# Allegro board LAY-29615_B4.brd (continued)
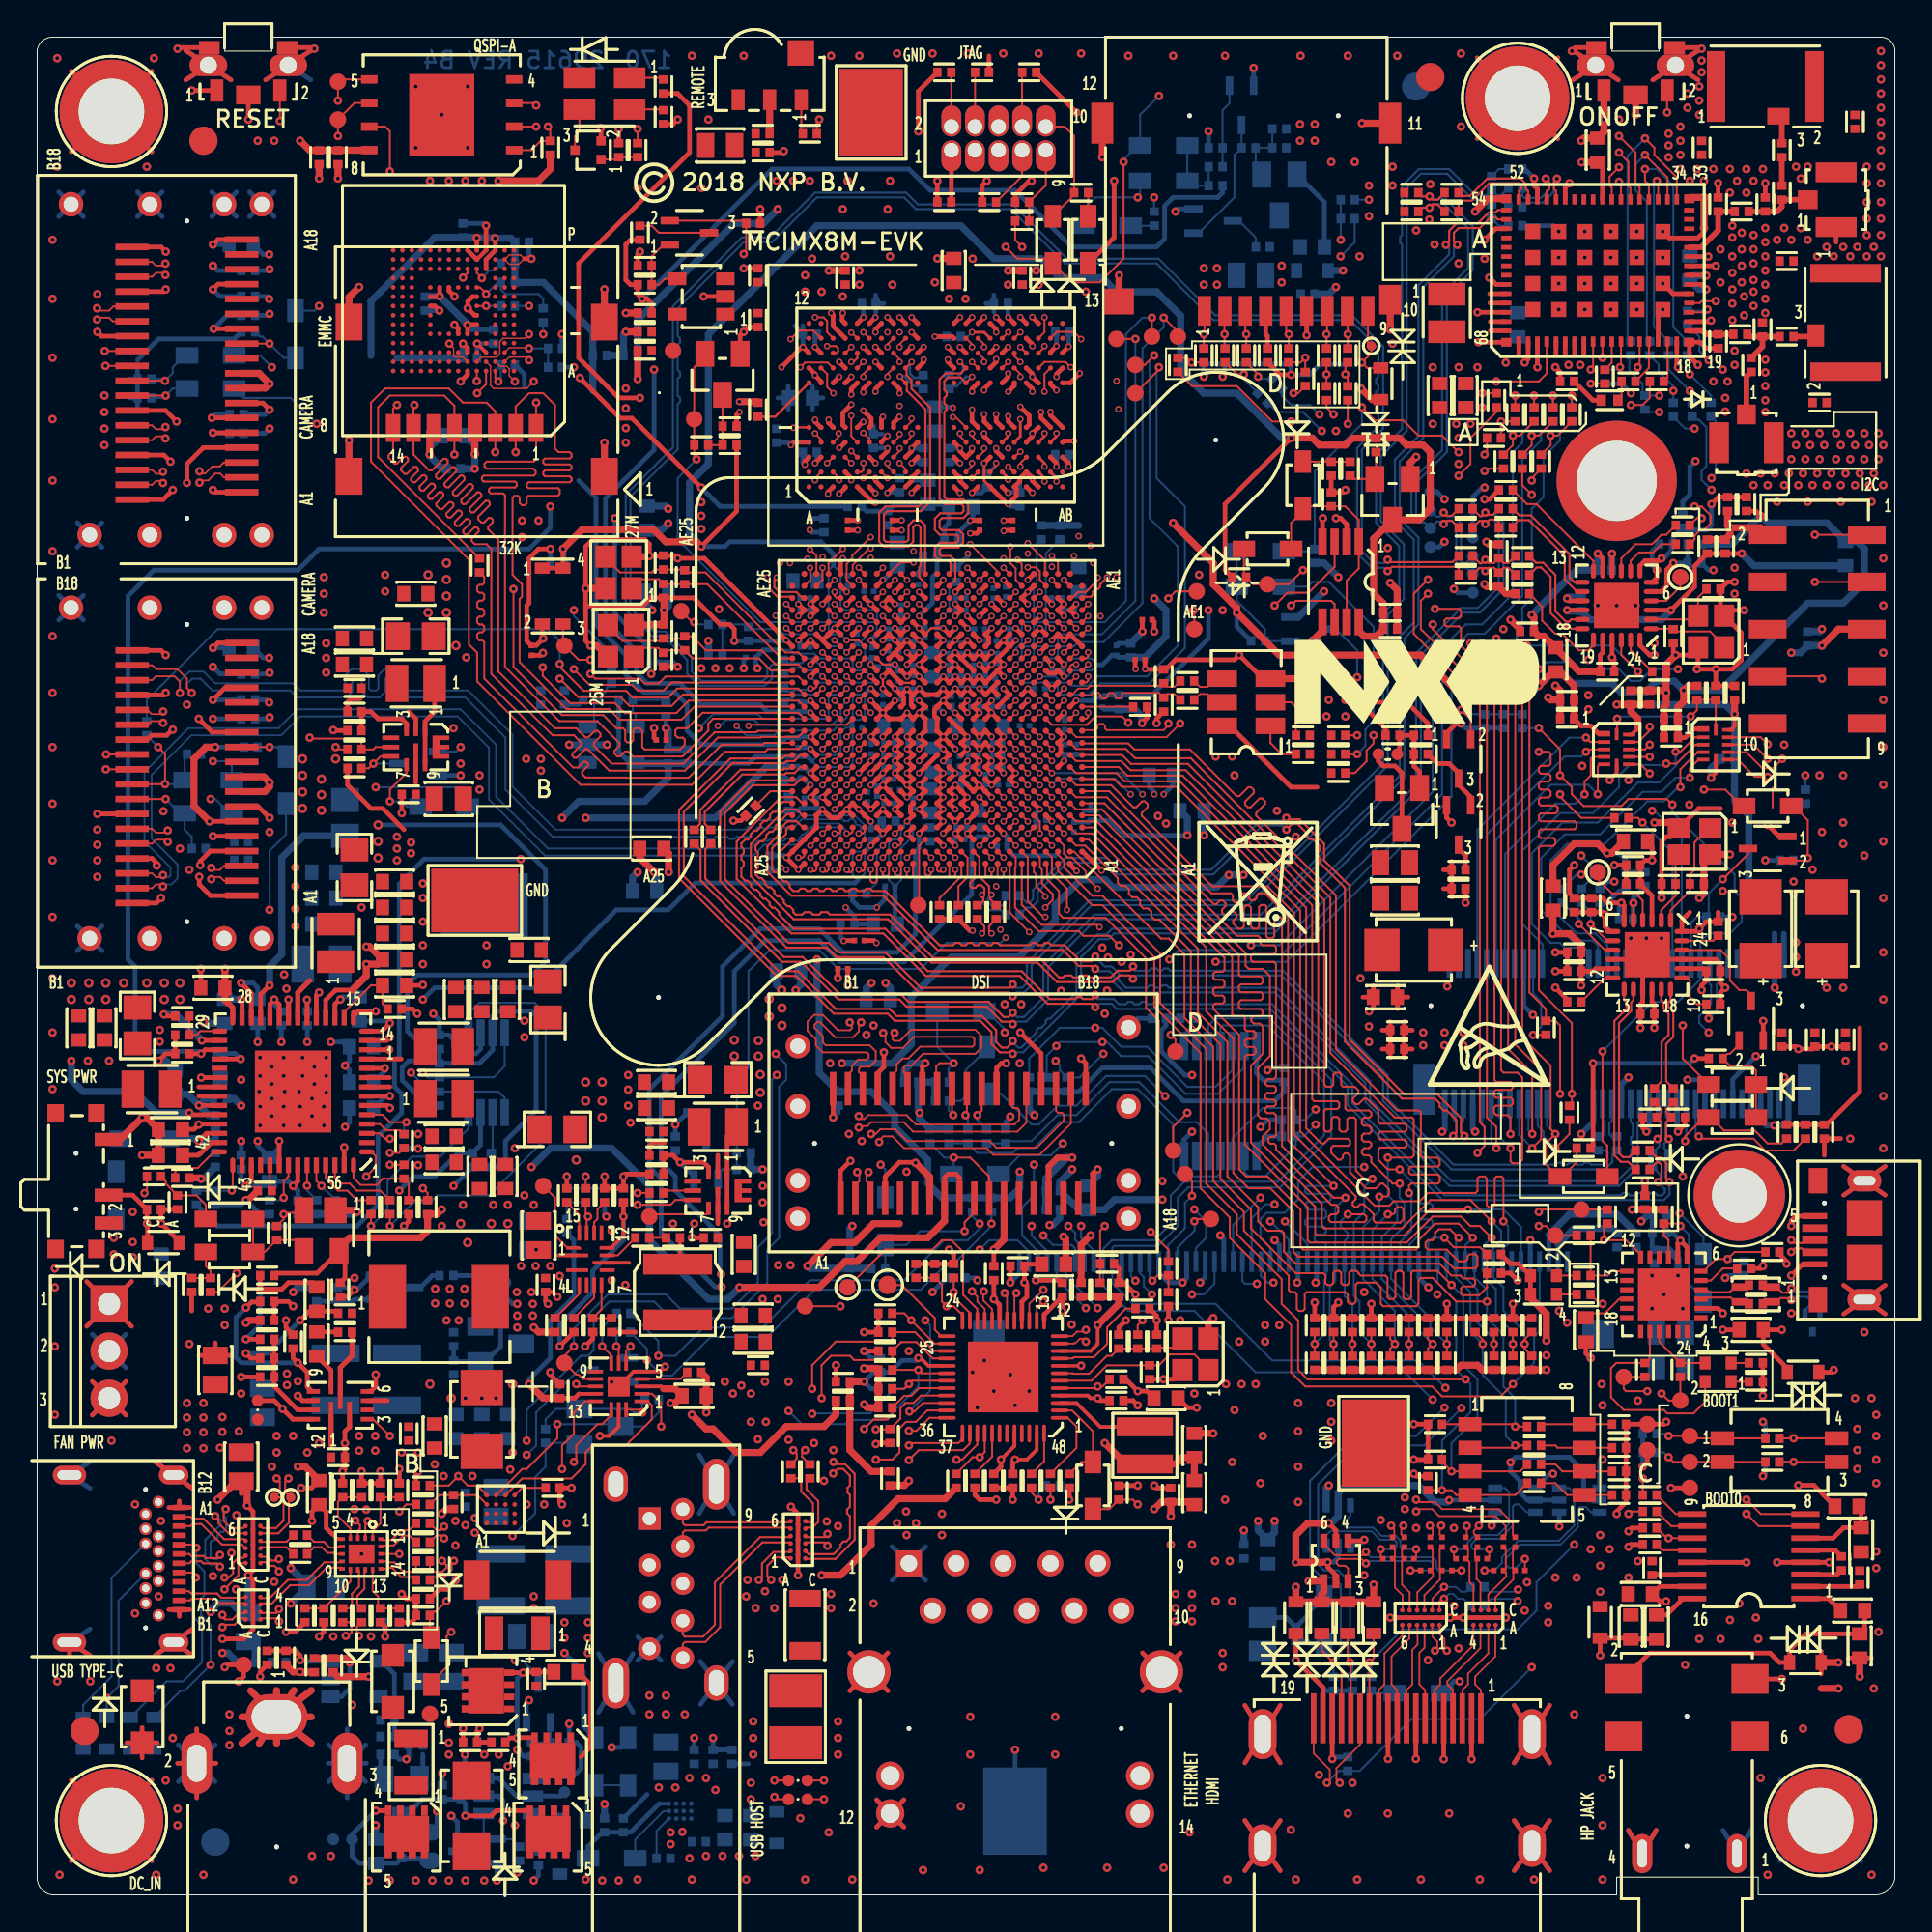
[diagram p0: board, top side]
## Routing (per net, layer and track width the routed paths; a pad name or vN(x,y) marks a point on that pad's centre or on a via; arc(x,y) is an arc through that point) (continued)
NVCC_3V3: length 247.2
  TOP w0.203: v1(57.09,26.73) 56.7,26.73 56.56,26.88 U1201.4 ; U907.3 33.59,27.37 33.72,27.24
  TOP w0.254: R1609.1 34.23,95.32 v1(34.48,95.57) ; U101.R6 v2(53.32,64.93) U101.R5 ; R402.1 47.43,97.08 v1(47.43,94.93) ; R920.1 20.39,22.68 v1(20.51,22.8) ; U601.F5 23.19,84.53 v1(23.17,84.51) U601.E6 ; U601.K9 v1(21.66,86.05) 21.64,86.03 U601.J10 ; U101.J7 v2(52.67,60.38) U101.H7 v2(52.67,59.73) ; U1301.8 83.26,82.88 ; C1326.2 84.26,93.02 U1301.43 ; v1(59.24,22.03) 58.24,22.03 R1223.1 ; R1803.2 v1(60.9,30.92) ; R801.2 79.3,33.97 79.75,33.97 D1703.1 D1703.3 ; L1104.2 95.64,22.05 v1(94.8,22.05) ; R403.1 55.94,95.95 v1(55.94,95.95) ; v1(85.66,18.73) 85.79,18.86 R1109.2 ; 68.9,59.63 67.5,59.63 64.2,62.93 Y501.6 ; v1(57.09,26.73) 57.21,26.61 C1207.1 ; R1205.1 58.61,27.75 v1(59.24,27.11) 59.74,27.11 C1206.1 ; R405.1 v1(48.46,92.26) ; U702.55 v1(16.53,40.24) ; U101.D8 v2(52.02,57.13) ; v1(92.89,26.87) R1703.1 R1702.1 ; U101.M18 v2(44.88,62.33) U101.L18 ; 12.51,85.1 v1(12.51,85.11) ; R1460.1 74.86,63.06 73.72,64.2 72.07,64.2 ; U1301.2 80.26,82.67 v1(80.07,82.49) ; C1441.1 72.59,62.79 v1(71.31,64.07) ; U101.M3 v2(55.27,62.33) U101.L3 55.1,61.86 55.1,61.5 U101.K3 ; U1301.26 89.82,87.19 v1(89.85,87.16) ; U1101.15 87.35,16.6 C1104.1 87.34,15.8 v1(87.69,15.8) ; D402.A 57.97,89.22 v1(57.97,92.26) ; R1716.1 92.77,33.72 v1(92.9,33.84) ; C1327.1 83.75,80.45 D1301.A ; U101.W4 v2(53.97,66.88) ; v1(85.03,20.51) 85.03,20.64 85.53,21.14 R802.2 R803.2 R804.2 R806.2 TP1701.1 87.57,25.34 v1(87.69,25.46) ; U101.F5 v2(53.97,58.43) ; U101.E3 v2(55.27,57.78) ; U1301.1 79.76,82.94 ; v1(89.85,86.42) 89.59,86.69 U1301.25 ; U1301.6 82.26,82.89 ; U1301.5 81.76,82.9 ; U1301.7 82.76,82.89
  TOP w0.381: v1(68.64,67.5) 69.19,68.05 U802.5 ; R1704.1 87.55,36.9 C1703.1 85.85,36.9 v1(85.84,36.89) ; J801.5 96.96,68.13 v1(96.07,67.25) ; v1(32.33,81.6) R101.1 ; C1326.2 v1(83.14,93.27) ; L1201.1 55.37,35.3 v1(55.24,35.43) ; R809.2 R810.2 R811.2 R812.2 R813.2 R814.2 R815.2 R816.2 76.4,28.26 76.64,28.51 77.53,28.51 77.78,28.26 R805.2 R807.2 R808.2 v1(81.24,28.26) ; D1703.3 80.39,32.13 81.24,31.28 v1(81.24,29.83) ; R620.1 27.62,92.9 26.99,92.26 v1(24.83,92.26) ; v1(42.23,17.21) 43.24,17.21 44.89,18.86 44.89,19.87 46.34,21.32 48.88,21.32 R1206.1 ; v1(26.73,30.54) 26.98,30.3 R731.1 ; v1(14.16,94.42) 14.67,93.91 C614.1 C613.1 16.2,93.92 U603.8 ; v1(34.1,26.48) 34.34,26.48 C915.1 34.34,27.24 33.72,27.24 ; J601.P4 v1(23.56,77.56)
  L6_INT_2 w0.381: v1(16.53,40.24) 16.53,33.76 v1(17.08,33.21)
  L8_INT_3 w0.102: v2(53.97,66.88) 54.3,66.56 54.3,65.45 54.06,65.21 53.65,65.21 53.65,66.56 v2(53.97,66.88)
  L8_INT_3 w0.254: v1(17.08,33.21) 17.08,35.88 19.11,37.91 v1(19.49,37.91) ; 53.65,65.21 53.38,64.93 v2(53.32,64.93)
  L8_INT_3 w0.381: v1(52.89,38.92) 52.89,39.69 53.68,40.47 v1(53.68,41.97)
  BOTTOM w0.254: v1(89.27,77.18) 88.96,76.87 88.96,75.37 88.58,74.99 R1346.1 ; 53.77,57.48 C196.1 53.77,58.23 v2(53.97,58.43) ; R1457.1 84.52,54.55 v1(84.9,54.55) ; C2.1 v2(53.32,64.93) ; D1003.A 76.26,11.49 v1(76.57,11.49) ; R308.1 56.08,43.25 57.34,44.51 59.93,44.51 61.71,42.73 66.61,42.73 67.12,43.24 C1528.1 67.02,43.85 66,43.85 65.64,44.21 U1501.14 ; C603.1 23.41,84.26 v1(23.17,84.51) ; C1519.1 12.43,63.31 v1(12.51,63.39) ; v2(44.88,62.33) 44.89,62.32 C194.1 ; v1(12.49,85.91) 12.35,86.04 C1510.1 ; R1606.1 69.29,91.12 Q1602.2 ; v1(12.49,64.19) 12.35,64.32 C1513.1 ; R1463.1 v1(93.03,55.69) ; R1323.1 77.28,75.25 77.79,75.75 v1(77.91,75.75) ; v1(25.84,31.81) 25.59,31.81 25.21,32.19 C781.1 ; v1(92.9,25.46) 93.03,25.33 R823.1 ; v1(76.26,70.29) 76.47,70.09 R1322.1 ; v1(19.49,37.91) 20.26,38.67 21.4,38.67 22.66,39.93 C1530.1 23.87,40.37 U1502.7 ; 54.8,55.94 52.56,55.94 52.21,56.3 C199.1 52.21,56.95 v2(52.02,57.13) ; v1(92.9,22.54) 93.03,22.68 R824.2 ; C1516.1 12.43,85.03 v1(12.51,85.11) ; v2(52.67,59.73) 52.66,59.75 C193.1
  BOTTOM w0.381: R308.1 R304.1 R303.1 53.4,42.25 v1(53.68,41.97) ; C618.1 23.56,78.05 v1(23.56,77.56) 23.56,76.77 v1(23.56,76.77) C617.1 ; v1(39.86,90.74) 39.1,89.98 37.53,89.98 32.31,84.77 C602.1 32.33,82.85 v1(32.33,81.6) ; v1(54.5,36.05) 54.67,36.05 55.05,36.44 C1526.1 ; R1343.1 69.27,71.7 v1(70.04,70.93) ; v1(41.97,50.35) 41.97,48.45 42.1,48.32 42.1,44.25 C1523.1 44.9,43.24 46.16,41.97 46.16,41.34 47.94,39.56 47.94,38.29 48.71,37.52 R301.1 R302.1 52.38,37.52 52.89,38.04 v1(52.89,38.92) ; v1(94.42,66.86) 94.93,66.86 C804.1 96.07,67.25 v1(96.07,67.25) ; v1(23.17,84.51) 23.17,84.55 v1(21.66,86.05) 20.91,86.05 C601.1 ; v1(89.85,86.42) 89.46,86.42 C1309.2 89.21,87.16 v1(89.85,87.16) ; v1(30.54,4.89) R917.1
  vias: v1(11.87,94.42) v1(12.76,94.42) v1(21.14,92.26) v1(22.16,92.26) v1(23.05,92.26) v1(23.94,92.26) v1(25.84,31.18) v1(25.84,30.54) v1(26.68,31.81) v1(26.68,31.18) v1(39.81,92.26) v1(40.7,92.26) v1(41.59,92.26) v1(61.02,18.86) v1(61.53,30.92) v1(62.17,18.86) v1(62.29,26.99) v1(67.98,95.31) v1(67.98,94.42) v1(68.52,63.44) v1(68.77,95.31) v1(68.77,94.42) v1(69.4,63.44) v1(69.53,64.32) v1(70.42,64.32) v1(70.42,63.44) v1(75.12,82.23) v1(76.52,82.23) v1(77.53,82.23) v1(79.06,82.49) v1(81.24,29.04) v1(82.44,82.36) v1(83.07,82.36)
NVCC_DRAM_1V1: length 73.1
  TOP w0.127: U101.Y14 48.12,68.18 v2(48.77,68.18)
  TOP w0.254: v2(50.23,73.98) 50.24,73.99 C177.1 ; v2(51.62,77.87) 51.62,77.72 U201.U3 ; U702.30 v1(8.87,45.99) ; U101.Y14 v2(47.48,68.18) U101.AA15 ; v2(45.53,70.78) 45.52,70.78 U101.AD18 ; v2(52.27,81.89) 52.27,81.72 U201.U8 ; U201.R5 50.32,79.32 v2(50.32,79.95) ; v2(43.58,70.13) 43.57,70.13 U101.AD21 ; U201.A4 40.73,78.19 v2(40.58,78.04) ; U201.R12 v2(50.97,84.92) ; C767.1 6.91,47.31 v1(6.82,47.4) ; v2(53.57,80.92) 53.57,81.07 U201.W8 ; v2(50.32,80.92) 50.32,81.07 U201.R8 ; v2(48.77,68.18) U101.Y12 v2(49.42,68.18) ; v2(52.92,80.1) 53.4,79.62 53.4,79.15 U201.W5 ; U101.AC23 41.95,69.81 v2(41.63,69.48) U101.AB23 v2(41.63,68.83) ; U101.AB8 51.7,69.16 v2(51.38,69.48) ; v2(44.47,79.9) 44.9,79.47 44.9,79.09 U201.F5 ; v2(54.87,83.37) 54.55,83.04 U201.AA10 ; v2(41.87,79.41) 41.87,79.3 42.19,78.99 U201.B5 ; U201.B10 v2(41.87,83.32) ; U201.U10 v2(52.27,83.32) ; U201.D1 43.5,75.74 v2(43.17,75.42) ; v2(45.12,77.07) 45.12,77.07 U201.F3 ; v2(52.03,73.98) 52.04,73.99 C160.1 ; v2(55.82,78.26) 55.27,78.26 U201.AB4 ; U101.AA10 50.08,68.83 v2(50.07,68.83) ; v2(54.87,76.89) 54.87,77.07 U201.AA3 ; v2(55.27,68.83) U101.AB3 v2(55.27,69.48) 54.95,69.81 U101.AC3 ; U201.D8 v2(43.82,81.72) ; U201.K1 v2(47.07,75.47) ; v2(53.32,69.48) U101.AC6 v2(53.32,70.13) 53.33,70.13 U101.AD5 ; U201.H1 v2(45.77,75.47) ; U201.AA5 54.04,79.5 v2(54.04,79.82) ; U201.AB9 54.87,81.87 v2(54.87,81.72) ; v2(46.18,69.48) U101.AC17 45.85,69.81 v2(45.53,69.48) U101.AB17 ; U101.AC20 v2(43.58,69.48) ; U201.W1 v2(53.57,75.47) ; U201.R1 v2(50.32,75.47) ; U201.AA8 54.55,81.32 v2(54.87,80.99) ; U201.F8 44.47,81.07 v2(44.47,80.89) ; U201.K10 v2(47.72,83.32) ; U201.D12 43.33,84.76 43.33,85.12 v2(43.37,85.15) ; U201.N1 v2(49.67,75.47) ; C35.1 v2(46.53,73.99) ; U201.N10 v2(49.02,83.32) ; v2(43.82,80.23) 43.37,79.77 43.37,79.12 U201.D5 ; U201.N12 v2(49.67,84.92) ; C36.1 v2(44.17,73.99) ; v2(51.62,79.69) 51.62,79.32 U201.U5 ; U101.AC14 v2(47.48,70.13) ; U201.K3 v2(47.07,77.07) ; U201.B3 v2(41.87,77.07) ; U201.W12 52.92,84.92 v2(52.92,84.92) ; v2(46.42,79.56) 46.1,79.25 U201.H5 ; U101.AC8 v2(52.02,69.48) ; U201.F10 v2(44.47,83.32) ; U201.B8 42.2,81.47 v2(41.87,81.79) 41.87,81.87 U201.A9 ; U201.H8 46.43,81.06 v2(46.43,80.83) ; U201.N3 v2(49.67,77.07) ; U201.H12 v2(45.77,84.92) ; U201.K12 v2(47.07,84.92)
  TOP w0.381: R204.1 38.74,80.38 v2(37.79,80.38)
  L6_INT_2 w0.381: v1(8.87,45.99) 10.44,47.56 11.37,47.56 11.75,47.94 11.75,49.24 12.13,49.62 12.56,49.62 14.79,51.85 14.79,55.43 14.29,55.94 v3(14.29,58.48)
  BOTTOM w0.254: R209.1 50.37,74.12 v2(50.23,73.98) 49.59,73.34 C218.1 ; v2(47.07,77.07) 47.13,77.13 C214.1 ; R203.1 40.44,78.17 v2(40.58,78.04) ; C207.1 54.87,84.07 v2(54.87,83.37) ; C18.1 45.58,70.78 v2(45.53,70.78) ; C217.1 41.71,74.1 v2(41.59,73.98) ; v2(43.58,70.13) 43.62,70.18 C155.1 ; R207.1 50.82,75.47 v2(50.32,75.47) ; v2(49.67,77.07) 49.62,77.13 C215.1 ; C209.1 54.87,77.47 v2(54.87,76.89) ; v2(41.87,83.32) 41.87,83.92 C212.1 ; v2(41.87,77.07) 41.97,77.16 C210.1 ; v2(45.77,75.47) 45.81,75.51 R206.1
  BOTTOM w0.381: v1(6.82,47.4) 7.47,47.4 v1(8.87,45.99)
  vias: v1(43.37,86.04) v1(44.26,86.68) v1(46.04,86.68) v1(48.32,86.8) v1(49.08,85.91) v1(49.97,85.91) v1(52.26,86.68) v1(53.91,86.68) v2(46.83,69.48) v2(50.07,70.13) v2(50.07,69.48) v3(14.29,61.15) v3(14.29,60.26) v3(14.29,59.37) v3(15.3,60.06) v3(15.3,59.22) v3(15.3,58.38) v3(16.06,61.15)
NVCC_ENET_2V5: length 78.9
  TOP w0.254: U101.T18 v2(44.88,65.58)
  TOP w0.381: R1201.2 43,25.85 42.35,25.21 40.32,25.21 38.92,23.81 37.65,23.81 36.38,25.08 36,25.08 v1(35.24,25.84)
  L6_INT_2 w0.381: v1(38.77,66.03) 38.77,66.13 38.21,66.69 32.65,66.69 28.89,62.93 27.24,62.93 25.72,61.4 25.72,58.99 22.92,56.2 22.92,52.19 22.67,51.93 22.67,39.43 23.68,38.42 23.68,35.88 24.19,35.37 27.14,35.37 28.76,33.74 28.76,32.57 30.29,31.05 32.22,31.05 34.73,28.54 34.73,26.35 v1(35.24,25.84)
  BOTTOM w0.102: 40.75,66.82 41.83,66.82 42.08,66.56 43.8,66.56 43.9,66.46 43.9,66.08 44.07,65.91 44.55,65.91 v2(44.88,65.58)
  BOTTOM w0.107: 40.75,66.82 40.55,67.02 39.76,67.02
  BOTTOM w0.254: v1(38.77,66.03) 38.68,66.12 C3.1 39.09,67.02 39.76,67.02
NVCC_SD2: length 72.8
  TOP w0.254: C1604.1 33.08,85.16 33.08,85.66 32.83,85.91 v1(32.57,85.91) 32.33,86.16 R1601.1 31.94,86.68 31.69,86.93 31.69,88.84 31.94,89.09 32.44,89.09 R1602.1 ; U101.N23 v2(41.63,63.63)
  BOTTOM w0.254: v1(32.57,85.91) 39.56,92.9 46.93,92.9 48.07,91.76 52.64,91.76 55.69,88.71 60.26,88.71 60.69,89.14 60.69,90.92 61.15,91.38 63.56,91.38 63.81,91.63 R1612.1 ; v1(33.21,82.1) 33.21,77.79 30.59,75.17 30.59,68.59 32.26,66.93 32.26,65.79 32.83,65.21 34.61,65.21 35.75,64.07 38.92,64.07 39.31,63.69 C191.1 41.57,63.69 v2(41.63,63.63)
NVCC_SNVS_3V3: length 181.1
  TOP w0.254: v1(28.31,72.45) Y403.4 Y403.1 ; R419.1 64.32,70.93 63.94,71.31 63.94,74.87 v1(67.5,78.42) ; R755.2 12.88,33.46 15.07,33.46 U704.4 16.57,34.33 16.57,33.2 C720.1 ; v1(35.75,72.58) 37.65,74.48 R415.1 ; U101.W18 v2(44.88,67.53)
  TOP w0.381: v1(28.31,72.45) 29.35,73.49 33.18,73.49 33.84,72.83 35.5,72.83 v1(35.75,72.58) ; U802.8 71.14,68.05 71.44,67.75 72.08,67.75 C801.1 C802.1 72.46,69.53 71.94,70.04 71.94,73 U801.3 74.4,74.02 74.99,74.61 74.99,77.66 74.61,78.04 73.72,78.04 73.35,78.42 R847.1 70.8,78.42 70.42,78.04 69.02,78.04 68.64,78.42 v1(67.5,78.42) ; U704.4 16.25,34.79 16.83,35.37 20.64,35.37 21.02,35.75 R723.1 21.53,36.65 v1(21.78,36.89)
  L6_INT_2 w0.381: v1(36.13,67.5) 32.45,67.5 29.15,64.2 27.49,64.2 24.95,61.66 24.95,59.12 22.22,56.39 22.22,53.09 21.91,52.77 21.91,39.05 21.78,38.92 v1(21.78,36.89)
  L8_INT_3 w0.381: v1(36.13,67.5) 36.13,68.64 35.37,69.4 35.37,71.18 35.75,71.56 v1(35.75,72.58)
  BOTTOM w0.102: 45.2,68.64 45.2,69.06 45.1,69.16 43.44,69.16 43.25,69.35 43.25,71.18 42.86,71.56 42.6,71.3 42.6,68.7 42.79,68.51 45.07,68.51 ; 45.2,68.64 45.2,68.51 45.2,68.51 ; 45.2,68.64 45.07,68.51 ; 45.08,68.51 45.2,68.51 ; 45.08,68.51 45.2,68.39 ; 45.08,68.51 45.07,68.51 ; 45.2,68.51 45.2,68.39 ; 45.2,67.86 45.2,68.39
  BOTTOM w0.254: 45.2,67.86 v2(44.88,67.53) 44.94,67.46 C101.1 ; v1(28.31,72.45) 28.38,72.38 C406.1 ; 42.86,71.56 42.86,72.17 42.2,72.83 37.27,72.83 37.02,72.58 v1(35.75,72.58)
  BOTTOM w0.381: R409.1 36.14,67.49 v1(36.13,67.5) ; v1(35.75,72.58) 35.11,73.21 35.11,76.01 36.13,77.02 36.13,84.01 41.97,89.85 49.72,89.85 51.5,88.07 54.04,88.07 55.05,87.06 57.34,87.06 58.1,86.3 60.26,86.3 61.56,85 61.56,82.08 62.8,80.83 64.58,80.83 66.99,78.42 v1(67.5,78.42)
NWDOG: length 131.4
  TOP w0.107: v1(10.73,33.46) 9.72,32.45 C726.1 ; U101.R4 v2(54.62,64.28)
  L6_INT_2 w0.076: v1(75.37,32.32) 73.72,30.67 68.13,30.67 67.68,31.13 65.29,31.13 63.44,29.27 59.75,29.27 58.48,28 58.48,22.8 56.17,20.48 50.51,20.48 49.16,21.83 42.18,21.83 39.94,24.07 38.54,24.07 37.53,25.08 34.35,25.08 30.8,28.64 19.75,28.64 14.67,33.72 10.98,33.72 v1(10.73,33.46)
  L8_INT_3 w0.076: v2(54.62,64.28) 54.95,63.96 56.21,63.96 56.58,64.32 60.77,64.32 61.15,64.71 62.93,64.71 63.49,64.14 67.05,64.14 73.28,57.91 73.28,55.88 74.99,54.16 74.99,52.77 76.39,51.37 76.39,47.69 75.25,46.54 75.25,43.12 74.36,42.23 74.36,40.07 75.5,38.92 75.5,36.38 74.87,35.75 74.87,33.97 75.37,33.46 v1(75.37,32.32)
ODT_CA_A: length 1.1
  TOP w0.107: v2(45.78,76.26) 45.45,76.59 U201.G2
  BOTTOM w0.107: R206.2 45.78,76.26 v2(45.78,76.26)
ODT_CA_B: length 1.4
  TOP w0.102: v2(51.62,77.07) 51.62,76.92 U201.T2
  BOTTOM w0.107: R207.2 51.62,77.02 v2(51.62,77.07)
ONOFF: length 74.4
  TOP w0.107: v1(68.13,71.31) 67.37,70.55 TP401.1 65.46,70.55 R419.2 64.96,71.05 D801.A ; U101.W21 v2(42.93,67.53) ; SW1701.2 v1(87.74,95.95)
  L6_INT_2 w0.076: v1(71.18,88.2) 71.82,87.57 71.82,79.69 68.13,76.01 v1(68.13,71.31) 68.13,69.4 66.1,67.37 63.94,67.37 63.05,66.48 57.59,66.48 57.03,65.92 45.71,65.92 44.43,67.2 43.42,67.2 43.08,67.53 v2(42.93,67.53)
  L8_INT_3 w0.076: v1(87.74,95.95) 86.9,95.11 84.9,95.11 83.66,93.87 82.82,93.87 81.85,92.9 78.55,92.9 73.85,88.2 v1(71.18,88.2)
PCIE1_NCLKREQ: length 35.4
  TOP w0.107: U101.F8 v2(52.02,58.43) ; v1(71.06,61.4) R307.2
  L6_INT_2 w0.076: v1(71.06,61.4) 67.88,61.4 65.09,58.61 61.91,58.61 60.9,59.63 57.34,59.63 56.47,58.76 52.54,58.76 52.21,58.43 v2(52.02,58.43)
  BOTTOM w0.107: v1(71.06,61.4) 71.5,61.85 71.5,62.74 71.94,63.18 71.94,68.26 69.53,70.67 68.64,70.67 68.39,70.42 D1304.C
PCIE1_REF_CLKN: length 81.7
  TOP w0.114: R1332.2 78.68,73.91 78.57,74.03 78.18,74.03 v1(77.95,73.8) 77.8,73.96 77.63,73.96 R1339.1 ; U101.K24 41.09,61.36 40.76,61.03 40.33,61.03 40.22,60.92 37.42,60.92 34.81,58.31 34.81,54.83 39.92,49.72 40.96,49.72 42.99,47.69 45.89,47.69 46.27,47.31 50.86,47.31 51.62,46.54 51.62,45.91 51.93,45.61 52.21,45.61 52.51,45.91 v1(52.51,45.96)
  BOTTOM w0.114: v1(52.51,45.96) 52.51,45.91 52.81,45.61 52.98,45.61 53.81,46.44 53.81,46.56 53.92,46.67 54.04,46.67 54.29,46.93 54.29,47.05 54.42,47.18 54.55,47.18 55.94,48.58 55.94,50.59 57.06,51.7 57.56,51.7 57.87,52.01 66.48,52.01 74.23,59.75 74.23,66.84 76.67,69.28 77.55,69.28 78.68,70.4 78.68,73.74 78.39,74.03 78.18,74.03 v1(77.95,73.8)
PCIE1_REF_CLKP: length 82
  TOP w0.114: U101.K25 40.6,61.31 40.25,61.31 40.11,61.17 37.32,61.17 34.56,58.41 34.56,54.72 39.81,49.47 40.85,49.47 42.88,47.43 45.78,47.43 46.16,47.05 50.76,47.05 51.37,46.44 51.37,45.8 51.82,45.35 52.44,45.35 v1(52.51,45.27) ; R1331.2 78.35,74.28 78.08,74.28 v1(77.95,74.41) 77.76,74.21 77.67,74.21 R1338.1
  BOTTOM w0.114: v1(77.95,74.41) 78.08,74.28 78.5,74.28 78.93,73.85 78.93,70.29 77.66,69.02 76.77,69.02 74.48,66.74 74.48,59.65 66.59,51.75 57.97,51.75 57.67,51.45 57.16,51.45 56.2,50.48 56.2,48.47 53.08,45.36 52.6,45.36 v1(52.51,45.27)
PCIE1_REQ: length 21.9
  TOP w0.107: v1(86.17,65.85) 85.28,66.74 U1302.22
  L6_INT_2 w0.076: v1(71.06,65.54) 72.25,66.74 78.04,66.74 78.42,67.12 80.07,67.12 v1(80.2,67.25)
  BOTTOM w0.107: v1(86.17,65.85) 84.77,67.25 v1(80.2,67.25) ; Q1301.3 69.91,68.13 71.06,66.99 v1(71.06,65.54)
PCIE1_RXN: length 91.9
  TOP w0.114: U101.H24 41.09,60.06 40.76,59.73 38.52,59.73 37.02,58.23 37.02,54.67 40.45,51.24 42.61,51.24 43.12,50.74 45.66,50.74 47.56,48.83 52.34,48.83 v1(52.51,49.01)
  BOTTOM w0.114: R1355.1 78.81,91.5 78.55,91.5 78.29,91.76 L1309.1 78.03,91.5 77.41,91.5 76.01,92.9 74.38,92.9 73.47,91.99 73.47,89.34 73.37,89.24 73.37,88.94 73.47,88.84 73.47,78.91 72.07,77.51 72.07,73.85 73.32,72.61 73.32,69.87 72.45,69 72.45,60.9 65.09,53.53 56.65,53.53 53.28,50.16 53.28,49.08 53.02,48.83 52.69,48.83 v1(52.51,49.01)
PCIE1_RXP: length 91.9
  TOP w0.114: v1(52.51,48.37) 52.31,48.58 47.46,48.58 45.55,50.48 43.01,50.48 42.5,50.99 40.34,50.99 36.77,54.57 36.77,58.33 38.42,59.99 40.58,59.99 U101.H25
  BOTTOM w0.114: R1354.1 78.81,91.25 78.55,91.25 78.29,90.99 L1308.1 78.03,91.25 77.3,91.25 75.9,92.65 74.48,92.65 73.72,91.88 73.72,78.8 72.33,77.41 72.33,73.96 73.57,72.71 73.57,69.76 72.71,68.9 72.71,60.79 65.19,53.28 56.76,53.28 53.53,50.05 53.53,48.98 53.13,48.58 52.72,48.58 v1(52.51,48.37)
PCIE1_TXN: length 7.5
  TOP w0.114: U101.J24 41.09,60.71 40.76,60.38 40.32,60.38 40.25,60.31 37.96,60.31 35.94,58.29 35.94,57.65 C1305.1
PCIE1_TXP: length 7.1
  TOP w0.114: U101.J25 40.58,60.64 40.21,60.64 40.14,60.57 37.85,60.57 35.68,58.4 35.68,57.65 C1304.1
PCIE2_NCLKREQ: length 62.9
  TOP w0.107: v1(88.58,46.8) 88.58,45.02 D1402.C ; U101.F9 v2(50.72,59.08)
  L6_INT_2 w0.076: v1(57.39,45.27) 59.24,45.27 60.77,46.8 65.47,46.8 68.64,43.62 83.5,43.62 85.66,45.78 87.57,45.78 v1(88.58,46.8) ; v2(50.72,59.08) 50.72,56.95 50.4,56.62 50.4,54.34 50.1,54.04 50.1,53.28 49.21,52.39 49.21,46.29 51.75,43.75 52.64,43.75 53.78,44.89 v1(54.83,44.89)
  BOTTOM w0.107: v1(57.39,45.27) 56.11,44 R308.2 55.05,44.38 55.05,44.67 v1(54.83,44.89)
PCIE2_REF_CLKN: length 69
  TOP w0.114: U101.F24 41.19,58.76 40.86,59.09 40.04,59.09 37.65,56.7 37.65,54.69 40.6,51.75 45.55,51.75 47.84,49.47 52.9,49.47 54.39,47.97 56.78,47.97 v1(56.96,47.79) ; v1(87.87,38.38) 87.69,38.55 87.69,39.41 87.41,39.69 87.18,39.69 R1422.2
  BOTTOM w0.114: v1(56.96,47.79) 57.14,47.97 57.84,47.97 58.12,47.69 66.38,47.69 70.55,43.52 70.55,42.5 75.65,37.4 87.57,37.4 87.87,37.71 v1(87.87,38.38) 87.87,38.4 87.64,38.63 87.64,38.98 R1426.1
PCIE2_REF_CLKN_CN: length 5.4
  TOP w0.114: R1424.2 87.7,42.29 87.7,42.1 R1428.1 87.69,41.59 87.69,40.83 v1(87.83,40.69)
  BOTTOM w0.114: J1401.49 87.78,41.67 87.65,41.55 87.65,40.87 v1(87.83,40.69) 87.58,40.44 87.58,40.2 R1426.2
PCIE2_REF_CLKP: length 68.5
  TOP w0.114: U101.F25 40.58,58.83 40.14,58.83 39.94,58.63 39.94,58.48 39.76,58.3 39.61,58.3 39.45,58.14 39.45,57.99 39.27,57.81 39.12,57.81 38.94,57.63 38.94,57.48 38.74,57.28 38.59,57.28 38.42,57.11 38.42,56.96 38.26,56.81 38.12,56.81 37.91,56.6 37.91,56.42 38.04,56.29 38.04,56.08 37.91,55.95 37.91,55.73 38.04,55.61 38.04,55.39 37.91,55.26 37.91,54.8 38.12,54.59 38.25,54.59 38.42,54.42 38.42,54.29 38.6,54.1 38.73,54.1 38.92,53.91 38.92,53.78 39.09,53.62 39.22,53.62 39.43,53.4 39.43,53.28 39.57,53.13 39.7,53.13 39.94,52.89 39.94,52.76 40.7,52.01 45.66,52.01 47.35,50.31 47.94,49.72 53,49.72 54.5,48.22 55.84,48.22 55.94,48.32 56.2,48.32 56.3,48.22 56.84,48.22 56.96,48.34 v1(56.96,48.45) ; v1(87.26,38.38) 87.44,38.55 87.44,39.3 87.31,39.43 87.18,39.43 R1421.2
  BOTTOM w0.114: v1(56.96,48.45) 56.96,48.34 57.07,48.22 57.95,48.22 58.23,47.94 58.6,47.94 58.72,48.07 58.94,48.07 59.07,47.94 59.33,47.94 59.46,48.07 59.68,48.07 59.8,47.94 60.02,47.94 60.15,48.07 60.36,48.07 60.49,47.94 66.48,47.94 70.8,43.62 70.8,42.61 75.75,37.65 85.25,37.65 85.38,37.78 85.59,37.78 85.72,37.65 86.06,37.65 86.19,37.78 86.4,37.78 86.53,37.65 86.75,37.65 86.87,37.78 87.09,37.78 87.22,37.65 87.46,37.65 87.62,37.81 87.62,38 87.26,38.35 v1(87.26,38.38) 87.39,38.5 87.39,38.75 R1425.1
PCIE2_REF_CLKP_CN: length 5.4
  TOP w0.114: R1423.2 87.45,42.28 87.45,42.11 R1427.1 87.44,41.59 87.44,40.91 v1(87.22,40.69)
  BOTTOM w0.114: J1401.47 87.28,41.63 87.4,41.5 87.4,40.87 v1(87.22,40.69) 87.33,40.58 87.33,40.31 R1425.2
PCIE2_RXN: length 62.8
  TOP w0.114: v1(56.96,49.85) 56.81,50 56.07,50 55.2,50.86 48.47,50.86 45.55,53.78 40.6,53.78 39.82,54.56 39.31,55.08 39.31,56.45 40.07,57.21 40.07,57.47 40.39,57.78 40.89,57.78 41.22,57.46 U101.D24
  BOTTOM w0.114: J1401.43 86.28,41.65 86.15,41.53 86.15,39.16 85.15,38.16 76.03,38.16 71.5,42.69 71.5,43.71 66.63,48.58 58.5,48.58 57.97,49.11 57.97,49.49 57.74,49.72 57.08,49.72 v1(56.96,49.85)
PCIE2_RXP: length 62.8
  TOP w0.114: U101.D25 40.62,57.49 40.45,57.49 40.32,57.36 40.32,57.11 39.56,56.35 39.56,55.18 39.69,55.05 39.81,55.05 40,54.87 40,54.74 40.19,54.55 40.35,54.55 40.5,54.39 40.5,54.24 40.7,54.04 40.97,54.04 41.1,54.16 41.31,54.16 41.44,54.04 41.66,54.04 41.78,54.16 42,54.16 42.13,54.04 42.34,54.04 42.47,54.16 42.68,54.16 42.81,54.04 43.03,54.04 43.15,54.16 43.37,54.16 43.5,54.04 43.71,54.04 43.84,54.16 44.06,54.16 44.18,54.04 44.51,54.04 44.63,54.16 44.85,54.16 44.98,54.04 45.66,54.04 48.58,51.12 49.3,51.12 49.43,51.24 49.65,51.24 49.77,51.12 49.99,51.12 50.11,51.24 50.33,51.24 50.46,51.12 50.67,51.12 50.8,51.24 51.02,51.24 51.14,51.12 51.36,51.12 51.49,51.24 51.7,51.24 51.83,51.12 53.44,51.12 53.56,51.24 53.78,51.24 53.91,51.12 54.12,51.12 54.25,51.24 54.47,51.24 54.59,51.12 55.31,51.12 56.17,50.25 56.73,50.25 56.96,50.48 v1(56.96,50.51)
  BOTTOM w0.114: v1(56.96,50.51) 56.96,50.48 57.47,49.97 57.85,49.97 58.23,49.59 58.23,49.21 58.61,48.83 59.76,48.83 59.89,48.96 60.11,48.96 60.23,48.83 60.45,48.83 60.58,48.96 60.79,48.96 60.92,48.83 66.74,48.83 71.75,43.81 71.75,42.8 76.14,38.42 85.05,38.42 85.9,39.27 85.9,39.65 85.8,39.75 85.8,40.09 85.9,40.19 85.9,40.34 85.8,40.44 85.8,40.78 85.9,40.88 85.9,41.48 85.78,41.6 J1401.41
PCIE2_TXN: length 60.5
  TOP w0.114: v1(58.99,49.31) 58.81,49.49 58.25,49.49 57.9,49.14 54.9,49.14 53.86,50.18 48.14,50.18 45.8,52.51 40.72,52.51 40.45,52.79 38.42,54.82 38.42,56.57 38.73,56.88 38.73,56.89 40.27,58.43 40.88,58.43 41.2,58.11 U101.E24
  BOTTOM w0.114: C1420.1 84.8,39.85 84.8,39.46 84.39,39.05 76.14,39.05 72.45,42.73 72.45,44 66.97,49.49 59.17,49.49 v1(58.99,49.31)
PCIE2_TXP: length 60.5
  TOP w0.114: U101.E25 40.58,58.18 40.38,58.18 39.75,57.55 39.75,57.41 39.57,57.22 39.42,57.22 39.24,57.05 39.24,56.9 39.05,56.7 38.91,56.7 38.67,56.46 38.67,56.25 38.8,56.12 38.8,55.9 38.67,55.78 38.67,55.56 38.8,55.43 38.8,55.28 38.67,55.16 38.67,54.93 38.87,54.72 39,54.72 39.18,54.55 39.18,54.42 39.36,54.24 39.49,54.24 39.69,54.04 39.69,53.91 39.84,53.75 39.97,53.75 40.19,53.53 40.19,53.4 40.38,53.22 40.51,53.22 40.7,53.02 40.7,52.89 40.83,52.77 41.18,52.77 41.31,52.89 41.64,52.89 41.76,52.77 42.09,52.77 42.22,52.89 42.55,52.89 42.68,52.77 45.91,52.77 48.25,50.43 53.96,50.43 55,49.39 55.23,49.39 55.33,49.49 55.67,49.49 55.77,49.39 56.12,49.39 56.22,49.49 56.48,49.49 56.58,49.39 57.79,49.39 58.15,49.75 58.83,49.75 58.99,49.91 v1(58.99,49.97)
  BOTTOM w0.114: C1421.1 84.4,40.07 84.54,39.93 84.54,39.56 84.29,39.31 83.65,39.31 83.55,39.41 83.29,39.41 83.18,39.31 82.84,39.31 82.74,39.41 82.47,39.41 82.37,39.31 82.1,39.31 82,39.41 81.74,39.41 81.63,39.31 76.24,39.31 72.71,42.84 72.71,44.11 67.07,49.75 61,49.75 60.88,49.87 60.67,49.87 60.54,49.75 60.37,49.75 60.25,49.87 59.98,49.87 59.86,49.75 59.11,49.75 58.99,49.86 v1(58.99,49.97)
PCIE_NCLKREQ: length 8.9
  TOP w0.107: v1(88.71,40.58) 88.71,40.83 89.72,41.85 D1401.C 90.11,41.85 90.8,41.15 92.46,41.15 93.15,40.45 93.91,40.45 R1415.2
  BOTTOM w0.107: v1(88.71,40.58) 88.78,40.64 J1401.53
PCIE_NDIS: length 69.6
  TOP w0.107: v1(88.02,58.69) 87.72,58.99 85.66,58.99 85.28,58.61 83.25,58.61 82.61,59.24 82.61,59.63 v1(81.98,60.26) 81.98,61.66 v1(80.83,62.81) ; v1(84.26,45.4) 84.26,40.58 84.52,40.32 D1404.C ; U101.C5 v2(53.97,56.48)
  L6_INT_2 w0.076: v1(81.98,60.26) 80.83,60.26 79.82,59.24 75.12,59.24 70.04,54.16 58.74,54.16 57.34,55.56 54.55,55.56 53.97,56.13 v2(53.97,56.48)
  BOTTOM w0.107: R1459.1 v1(80.83,62.81) ; v1(88.02,58.69) 88.02,58.28 91.38,54.93 91.38,54.04 91.76,53.66 91.76,52.39 91.12,51.75 89.98,51.75 89.53,51.3 J1401.56 89.53,49.27 88.33,48.07 86.93,48.07 v1(84.26,45.4)
PCIE_NRST: length 48.1
  TOP w0.107: v2(54.27,53.15) 54.27,53.15 54.67,53.56 54.67,53.86 54.09,54.44 54.09,55.19 53.98,55.31 53.98,55.83 U101.B5
  L6_INT_2 w0.076: v1(86.93,58.36) 85.66,58.36 85.1,57.8 76.85,57.8 71.65,52.6 57.51,52.6 56.65,53.45 54.57,53.45 v2(54.27,53.15)
  BOTTOM w0.107: J1401.52 88.53,56.89 87.06,58.36 v1(86.93,58.36)
PCIE_NWAKE: length 67.5
  TOP w0.107: v2(53.97,57.13) 53.97,57.78 U101.E5 ; v1(89.45,40.83) 89.57,40.7 92.39,40.7 93.03,40.07 94.54,40.07 R1416.2
  L6_INT_2 w0.076: v1(83.17,60.77) 80.33,60.77 79.31,59.75 74.74,59.75 69.79,54.8 65.98,54.8 65.42,55.36 58.43,55.36 57.77,56.02 54.48,56.02 54.3,56.2 54.3,56.81 v2(53.97,57.13)
  L8_INT_3 w0.076: v1(83.17,60.77) 84.77,59.17 84.77,58.48 86.17,57.09 87.57,57.09 90.11,54.55 90.11,52.39 91.76,50.74 91.76,43.14 v1(89.45,40.83)
  BOTTOM w0.107: J1401.55 89.28,41 v1(89.45,40.83)
PCIE_REQ: length 5.7
  TOP w0.107: Q1401.3 92.26,48.45 92.01,48.7 91.63,48.7 91.12,49.21 91.12,50.35 90.62,50.86 U1401.22
PG_SEQ0: length 61.3
  TOP w0.107: U701.3 18.09,25.6 v1(18.99,24.7)
  L6_INT_2 w0.076: v1(28.89,69.15) 27.67,67.93 27.67,65.26 24.32,61.91 24.32,59.37 21.53,56.58 21.53,53.4 21.27,53.15 21.27,48.07 20.89,47.69 20.89,45.91 21.27,45.53 21.27,36.77 21.58,36.46 21.96,36.46 22.29,36.13 22.29,35.24 23.05,34.48 23.79,34.48 v1(25.82,32.45)
  L8_INT_3 w0.076: v1(18.99,24.7) 18.73,24.95 18.73,29.15 20.97,31.38 24.75,31.38 v1(25.82,32.45)
  BOTTOM w0.107: R762.1 30.92,66.81 28.89,68.85 v1(28.89,69.15)
PHY_CLKOUT: length 4.7
  TOP w0.107: U1201.25 48.66,30.08 48.32,30.42 48.32,31.05 46.54,32.83 TP1202.1
PMIC_NINT: length 121.5
  TOP w0.107: U702.1 17.99,39.99 18.22,39.76 18.22,39.18 v1(17.72,38.67) ; U101.N6 v2(53.32,63.63)
  L6_INT_2 w0.076: v1(17.72,38.67) 17.72,36.51 17.46,36.26 17.46,35.24 17.72,34.99 17.72,31.43 20.13,29.02 30.92,29.02 34.56,25.39 37.86,25.39 38.29,24.95 42.61,24.95 44.77,22.8 48.7,22.8 50.69,20.81 55.87,20.81 57.97,22.92 57.97,28.26 59.37,29.65 63.18,29.65 65.09,31.56 68.01,31.56 68.26,31.3 70.29,31.3 v1(71.44,32.45)